# Altium PCB 2014.10.05_Remote_V14.3.PcbDoc (part 1 of 2)
Units mil, origin at the board's own origin, x right, y up, seen from the top; angles counter-clockwise.
Board outline 1909.45 x 4723.62 mil, 2 copper layers (Top Layer, Bottom Layer); 101 components, 83 nets, 315 pads, 421 vias.
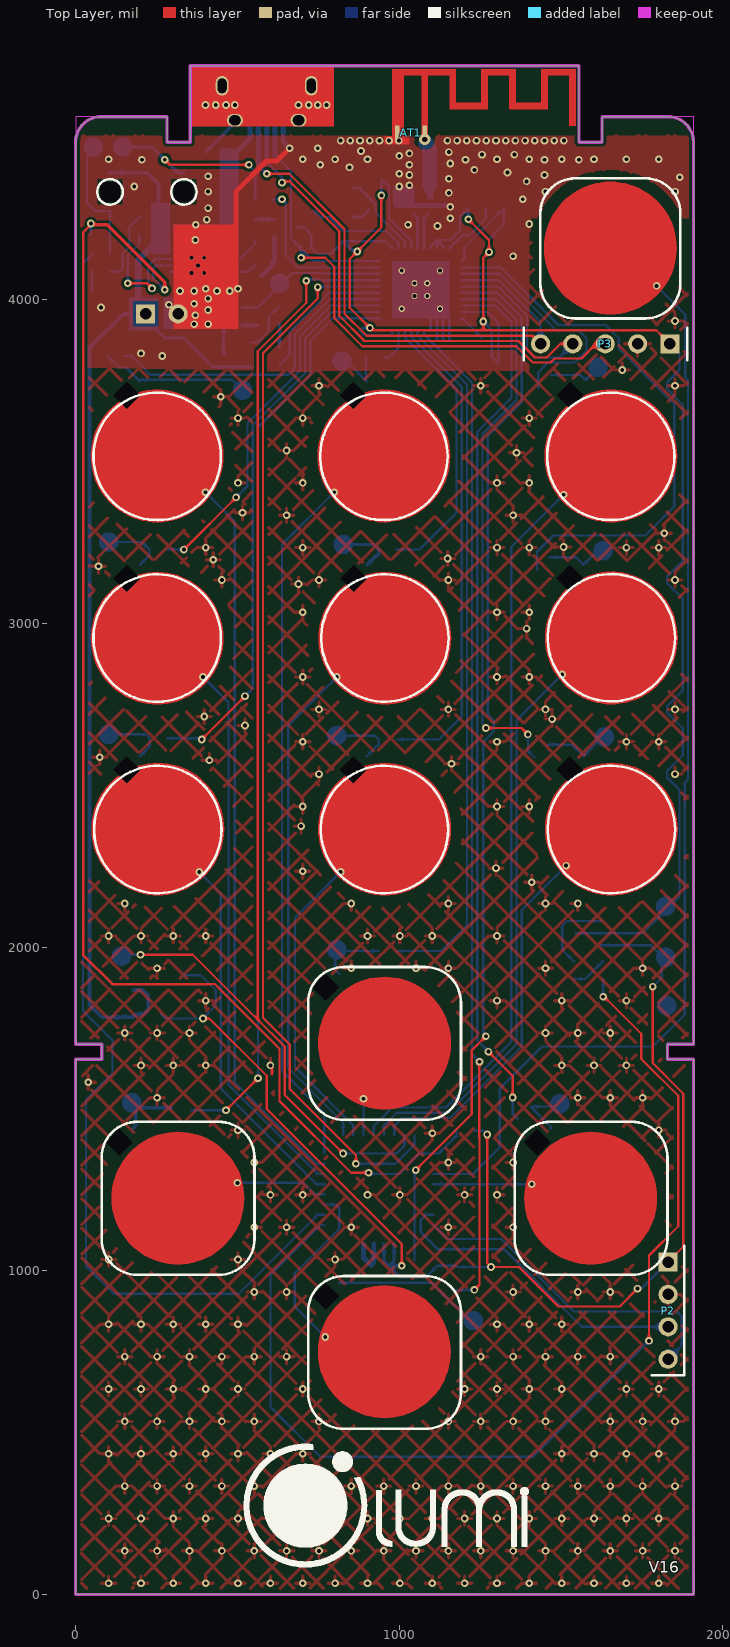
[diagram p0: Top Layer view]
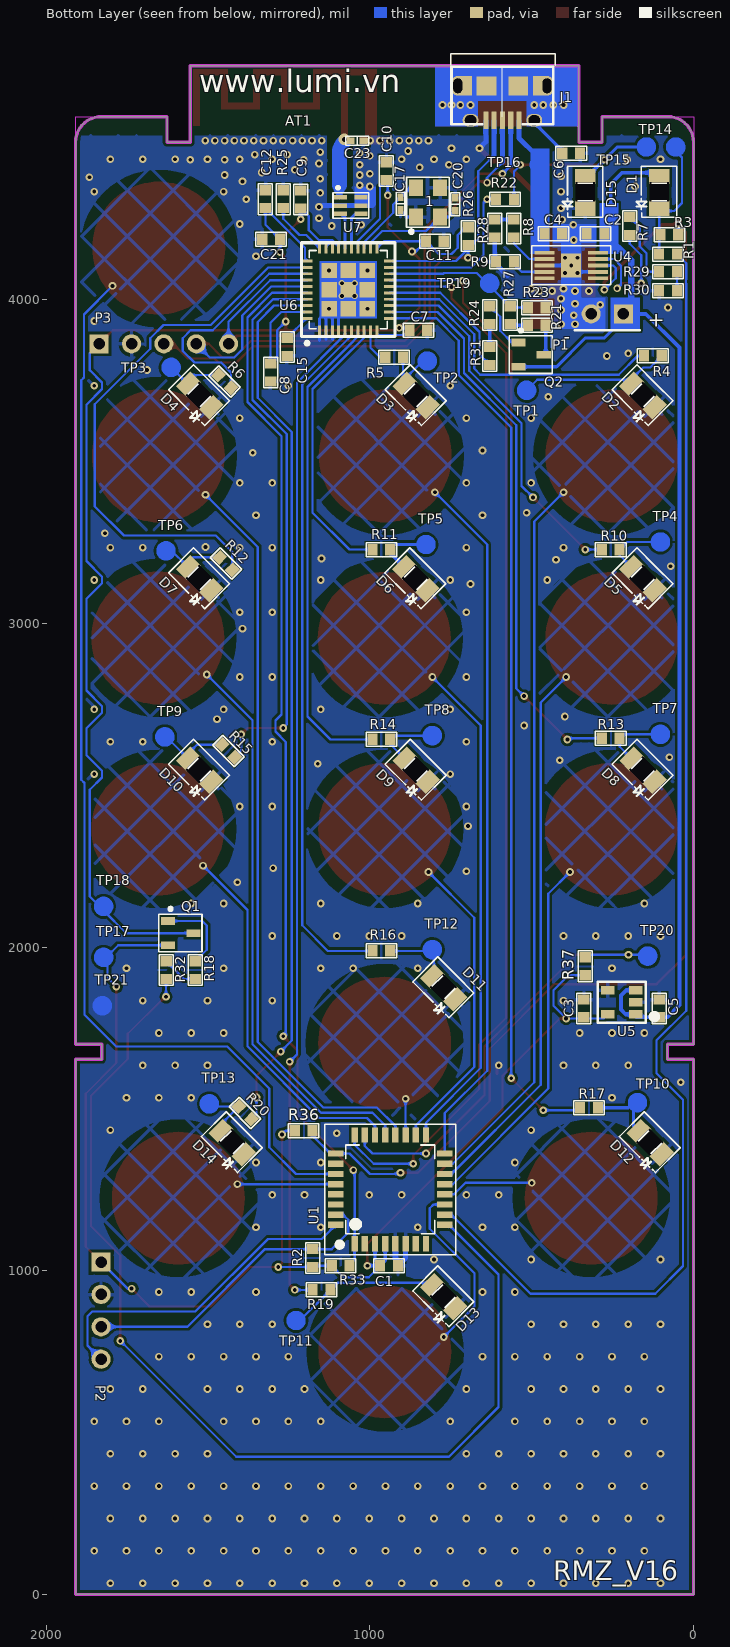
[diagram p1: Bottom Layer view, seen from below]
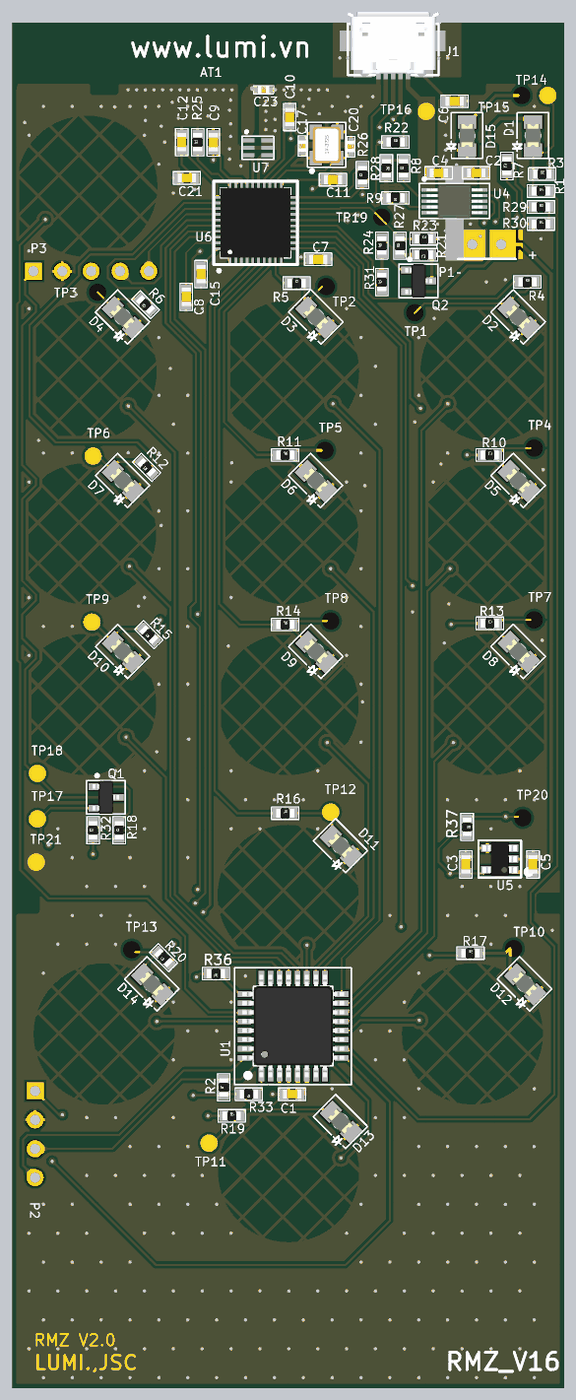
[diagram p3: 3D render of the assembled board from below, using the file's embedded part models]

## Layer stack, top to bottom
Top Solder: solder mask 0.4, Solder Resist, Dk 3.5
Top Layer: signal copper 1.4
Dielectric1: dielectric 12.6, FR-4, Dk 4.8
Bottom Layer: signal copper 1.4
Bottom Solder: solder mask 0.4, Solder Resist, Dk 3.5

## Board outline
0,0 0,1653.54 80.71,1653.54 80.71,1700 0,1700 0,4487.4 cw(c78.74,4487.4) 78.74,4566.14 282.48,4566.14 282.68,4565.95 282.68,4487.4 354.33,4487.4 354.33,4723.62 1555.12,4723.62 1555.12,4487.4 1626.77,4487.4 1626.77,4564.96 1627.95,4566.14 1830.71,4566.14 cw(c1830.71,4487.4) 1909.45,4487.4 1909.45,1700 1828.74,1700 1828.74,1653.54 1909.45,1653.54 1909.45,0
cut-out: 1844.49,4566.14 1846.46,4564.17 1851.38,4564.17 1853.35,4562.21 1857.28,4562.21 1859.25,4560.24 1862.21,4560.24 1864.17,4558.27 1867.13,4558.27 1867.13,4557.28 1869.1,4555.32 1872.05,4555.32 1872.05,4554.33 1874.02,4552.36 1876.97,4552.36 1880.91,4548.43 1881.89,4548.43 1885.83,4544.49 1885.83,4543.5 1889.76,4539.57 1889.76,4538.58 1890.75,4538.58 1893.7,4535.63 1893.7,4534.65 1896.65,4531.69 1896.65,4529.72 1899.61,4526.77 1899.61,4524.8 1902.56,4521.85 1902.56,4518.9 1904.53,4516.93 1904.53,4514.96 1905.51,4513.98 1905.51,4510.04 1906.5,4509.06 1906.5,4504.13 1908.47,4502.17 1908.47,4501.18 1909.45,4500.2 1909.45,4566.14
cut-out: 0,4501.18 1.97,4503.15 1.97,4508.07 3.94,4510.04 3.94,4513.98 5.91,4515.95 5.91,4518.9 7.87,4520.87 7.87,4523.82 8.86,4523.82 10.83,4525.79 10.83,4528.74 11.81,4528.74 13.78,4530.71 13.78,4533.66 17.72,4537.6 17.72,4538.58 21.65,4542.52 22.64,4542.52 26.58,4546.46 27.56,4546.46 27.56,4547.44 30.51,4550.39 31.5,4550.39 34.45,4553.35 36.42,4553.35 39.37,4556.3 41.34,4556.3 44.29,4559.25 47.24,4559.25 49.21,4561.22 51.18,4561.22 52.17,4562.21 56.1,4562.21 57.09,4563.19 62.01,4563.19 63.98,4565.16 64.96,4565.16 65.95,4566.14 0,4566.14

## Design rules (kind name [scope] priority, off if disabled: settings)
Clearance TO [InNet('TO0') AND InNet('TO1') AND InNet('TO2') AND InNet('TO3') AND InNet('TO4') AND InNet('TO5') AND InNet('TO6') AND InNet('TO7') AND InNet('TO8') AND InNet('TO9') AND InNet('TO10') AND InNet('TO11') AND InNet('TO12') AND InNet('TO13') AND InNet('TO14') AND InNet('TO15')] p1: gap=10
Clearance [All] p2: gap=9
PolygonConnect TOP_GND [InNet('GND') And OnLayer('Top Layer')] p1: connectstyle=Relief reliefconductorwidth=10 reliefentries=4 polygonreliefangle="90 Angle" airgapwidth=10
PolygonConnect GND_PAD [(InPadClass('All Pads') AND InNet('GND'))] p2: connectstyle=Relief reliefconductorwidth=10 reliefentries=4 polygonreliefangle="90 Angle" airgapwidth=10
PolygonConnect [All] p3: connectstyle=Direct reliefconductorwidth=10 reliefentries=4 polygonreliefangle="90 Angle" airgapwidth=10
RoutingVias [All] p1: holewidth=28 width=50 viastyle="Through Hole" minholewidth=28 minwidth=50 maxholewidth=28 maxwidth=50
SilkToSolderMaskClearance SilkscreenOverComponentPads [IsPad] p1: minsilkscreentomaskgap=10 clearancetoexposedcopper=TRUE
SolderMaskExpansion [All] p1: expansion=4
UnpouredPolygon [All] p1: allowunpoured=FALSE
Width [All] p1: maxlimit=50 minlimit=7 preferedwidth=10
28 further rules are at their usual default settings.

## Components (designator, comment, footprint, x,y, rotation, side; value= is the part's Value field where it differs from the comment)
1 "XTAL_32MHz_3225" CRYSTAL_SMD_3225 820.87,4301.38 r90 bottom
AT1 "ANTEN INV F V2" ANTEN_INVERTF_TI_2 1078.74,4515.75 r0 top
C1 "CAP_105_0603" CAP_0603_TOP 940.94,1015.75 r0 bottom
C2 "CAP_105_0603" CAP_0603_TOP 303.15,4204.72 r180 bottom
C3 "CAP_105_0603" CAP_0603_TOP 338.58,1811.02 r270 bottom
C4 "CAP_105_0603" CAP_0603_TOP 433.07,4204.72 r0 bottom
C5 "CAP_105_0603" CAP_0603_TOP 106.3,1811.02 r270 bottom
C6 "CAP_105_0603" CAP_0603_TOP 377.95,4452.76 r0 bottom
C7 "CAP_104_0603" CAP_0603_TOP 850.39,3905.51 r180 bottom
C8 "CAP_104_0603" CAP_0603_TOP 1307.09,3775.59 r270 bottom
C9 "CAP_104_0603" CAP_0603_TOP 1213.58,4310.24 r90 bottom
C10 "CAP_104_0603" CAP_0603_TOP 948.82,4397.64 r90 bottom
C11 "CAP_104_0603" CAP_0603_TOP 799.21,4181.1 r180 bottom
C12 "CAP_104_0603" CAP_0603_TOP 1322.83,4311.02 r90 bottom
C15 "CAP_105_0603" CAP_0603_TOP 1255.91,3854.33 r270 bottom
C17 "CAP_12p_0402" CAP_0402_TOP 905.51,4297.44 r270 bottom
C20 "CAP_12p_0402" CAP_0402_TOP 736.22,4295.47 r90 bottom
C21 "CAP_105_0603" CAP_0603_TOP 1305.12,4187.01 r0 bottom
C23 "CAP_0.5pF_0402" CAP_0402_TOP 1039.37,4492.13 r0 bottom
D1 "LED_BLUE_0805" LED_0805_REVERSE_2 106.3,4333.86 r90 bottom
D2 "LED_0805" LED_0805_REVERSE_2 157.56,3705.91 r45 bottom
D3 "LED_0805" LED_0805_REVERSE_2 858.25,3705.91 r45 bottom
D4 "LED_0805" LED_0805_REVERSE_2 1527.76,3705.91 r45 bottom
D5 "LED_0805" LED_0805_REVERSE_2 157.56,3139.89 r45 bottom
D6 "LED_0805" LED_0805_REVERSE_2 859.25,3139.88 r45 bottom
D7 "LED_0805" LED_0805_REVERSE_2 1527.56,3139.89 r45 bottom
D8 "LED_0805" LED_0805_REVERSE_2 157.48,2548.43 r45 bottom
D9 "LED_0805" LED_0805_REVERSE_2 858.25,2548.43 r45 bottom
D10 "LED_0805" LED_0805_REVERSE_2 1527.56,2548.43 r45 bottom
D11 "LED_0805" LED_0805_REVERSE_2 772.84,1875.98 r45 bottom
D12 "LED_0805" LED_0805_REVERSE_2 135.04,1397.64 r45 bottom
D13 "LED_0805" LED_0805_REVERSE_2 772.84,921.26 r45 bottom
D14 "LED_0805" LED_0805_REVERSE_2 1426.38,1397.64 r45 bottom
D15 "LED_RED_0805" LED_0805_REVERSE_2 334.65,4333.86 r90 bottom
J1 "Micro USB" CONNECTOR_MICROUSB2 590.55,4555.12 r180 bottom
P1 "BAT" HDR1X2 216.54,3956.69 r0 bottom
P2 "JACK NAP" HDR1X4 1830.71,1026.77 r270 top
P3 "Header 5" HDR1X5 1836.61,3864.17 r180 top
Q1 "TRAN_FET_PMV160" SOT_23_TO_236AB 1590.55,2043.31 r270 bottom
Q2 "TRAN_FET_PMV160" SOT_23_TO_236AB 507.87,3830.71 r270 bottom
R1 "RES_330R_0603" RES_0603_TOP 78.74,4141.73 r180 bottom
R2 "RES_4.7K_0603" RES_0603_TOP 1177.17,1039.37 r90 bottom
R3 "RES_2.2K_0603" Res_0603_TOP 74.8,4200.79 r180 bottom
R4 "RES_330R_0603" RES_0603_TOP 125.98,3826.77 r180 bottom
R5 "RES_330R_0603" RES_0603_TOP 925.2,3822.83 r180 bottom
R6 "RES_330R_0603" RES_0603_TOP 1448.82,3748.03 r45 bottom
R7 "RES_4.7K_0603" Res_0603_TOP 196.85,4228.35 r90 bottom
R8 "RES_2.2K_0603" RES_0603_TOP 555.12,4220.47 r90 bottom
R9 "RES_2.2K_0603" RES_0603_TOP 582.68,4118.11 r0 bottom
R10 "RES_330R_0603" RES_0603_TOP 255.91,3228.35 r180 bottom
R11 "RES_330R_0603" RES_0603_TOP 964.57,3228.35 r180 bottom
R12 "RES_330R_0603" RES_0603_TOP 1444.88,3185.04 r45 bottom
R13 "RES_330R_0603" RES_0603_TOP 255.91,2645.67 r180 bottom
R14 "RES_330R_0603" RES_0603_TOP 964.57,2641.73 r180 bottom
R15 "RES_330R_0603" RES_0603_TOP 1437.01,2606.3 r45 bottom
R16 "RES_330R_0603" RES_0603_TOP 964.57,1988.19 r180 bottom
R17 "RES_330R_0603" RES_0603_TOP 322.83,1503.94 r180 bottom
R18 "RES_56K_0805" RES_0603_TOP 1539.37,1929.13 r90 bottom
R19 "RES_330R_0603" RES_0603_TOP 1149.61,940.94 r180 bottom
R20 "RES_330R_0603" RES_0603_TOP 1385.83,1488.19 r45 bottom
R21 "RES_2.2K_0603" RES_0603_TOP 484.25,3921.26 r0 bottom
R22 "RES_330R_0603" RES_0603_TOP 582.68,4311.02 r180 bottom
R23 "RES_1.1K_0603" RES_0603_TOP 484.25,3976.38 r180 bottom
R24 "RES_56K_0603" RES_0603_TOP 629.92,3952.76 r90 bottom
R25 "RES_56K_0603" RES_0603_TOP 1267.72,4311.02 r90 bottom
R26 "RES_4.7K_0603" RES_0603_TOP 696.85,4196.85 r90 bottom
R27 "RES_1.1K_0603" Res_0603_TOP 566.93,3952.76 r90 bottom
R28 "RES_330R_0603" RES_0603_TOP 614.17,4220.47 r270 bottom
R29 "RES_4.7K_0603" Res_0603_TOP 78.74,4086.61 r180 bottom
R30 "RES_330R_0603" Res_0603_TOP 78.74,4027.56 r180 bottom
R31 "RES_56K_0603" Res_0603_TOP 629.92,3826.77 r90 bottom
R32 "RES_56K_0603" Res_0603_TOP 1629.92,1929.13 r90 bottom
R33 "RES_4.7K_0603" Res_0603_TOP 1090.55,1015.75 r0 bottom
R36 "RES_4.7K_0603" Res_0603_TOP 1204.72,1433.07 r0 bottom
R37 "RES_4.7K_0603" Res_0603_TOP 334.65,1940.94 r270 bottom
TP1 "TP" TEST_POINT_1#1 515.75,3720.47 r180 bottom
TP2 "TP" TEST_POINT_1#1 822.83,3811.02 r90 bottom
TP3 "TP" TEST_POINT_1#1 1614.17,3791.34 r90 bottom
TP4 "TP" TEST_POINT_1#1 102.36,3251.97 r90 bottom
TP5 "TP" TEST_POINT_1#1 826.77,3244.09 r90 bottom
TP6 "TP" TEST_POINT_1#2 1629.92,3224.41 r90 bottom
TP7 "TP" TEST_POINT_1#1 102.36,2657.48 r90 bottom
TP8 "TP" TEST_POINT_1#1 807.09,2653.54 r90 bottom
TP9 "TP" TEST_POINT_1#2 1633.86,2649.61 r90 bottom
TP10 "TP" TEST_POINT_1#1 173.23,1519.68 r90 bottom
TP11 "TP" TEST_POINT_1#2 1228.35,846.46 r90 bottom
TP12 "TP" TEST_POINT_1#3 807.09,1992.13 r90 bottom
TP13 "TP" TEST_POINT_1#1 1496.06,1515.75 r90 bottom
TP14 "TP" TEST_POINT_1#1 145.67,4472.44 r90 bottom
TP15 "TP" TEST_POINT_1#2 55.12,4472.44 r90 bottom
TP16 "TP" TEST_POINT_1#1 476.38,4417.32 r90 bottom
TP17 "TP" TEST_POINT_1#3 1822.83,1968.5 r90 bottom
TP18 "TP" TEST_POINT_1#2 1822.83,2125.98 r90 bottom
TP19 "TP" TEST_POINT_1#1 629.92,4051.18 r90 bottom
TP20 "TP" TEST_POINT_1#1 141.73,1972.44 r90 bottom
TP21 "TP" TEST_POINT_1#1 1826.77,1818.9 r90 bottom
U1 "MC9S08PT8/16" LQFP32 937.01,1251.97 r90 bottom (schematic designator U?)
U4 "BQ24090" MSOP_POWERPAD_DGQ 377.95,4106.3 r180 bottom
U5 "LDO_TLV70233" SOT_235 215.75,1831.69 r0 bottom
U6 "CC2530" VQFN_RHA_40PINS 1066.93,4031.5 r180 bottom
U7 "2450BM15A0002" BALUN_2450BM15A0002 1059.06,4291.34 r90 bottom

## Footprints (in the part's own frame and the unit in brackets; to place one, negate y for a bottom-side part, rotate by r counter-clockwise, add the part's x,y. Pads: shape width x height; smd on the part's side, far side on the other; paste and mask are expansions set on the pad)
ANTEN_INVERTF_TI_2 [mil]
  rect 15x45 smd paste+0 mask+4: 1(0,0) 2(-85,0)
  Top Layer region: 466.65,22.64 466.65,197.44 446.97,197.44 446.97,22.64
  Top Layer region: 380.04,197.44 380.04,73.82 360.35,73.82 360.35,197.44
  Top Layer region: 281.61,73.82 281.61,197.44 261.93,197.44 261.93,73.82
  Top Layer region: 195,197.44 195,73.82 175.32,73.82 175.32,197.44
  Top Layer region: 360.35,177.76 360.35,197.44 466.65,197.44 466.65,177.76
  Top Layer region: 175.32,177.76 175.32,197.44 281.61,197.44 281.61,177.76
  Top Layer region: 76.89,73.82 76.89,93.5 195,93.5 195,73.82
  Top Layer region: 76.89,197.44 76.89,73.82 96.57,73.82 96.57,197.44
  Top Layer region: -100.28,-14.76 -100.28,197.44 -64.84,197.44 -64.84,-14.76
  Top Layer region: -100.28,177.76 -100.28,197.44 96.57,197.44 96.57,177.76
  Top Layer region: 261.93,73.82 261.93,93.5 380.04,93.5 380.04,73.82
  Top Layer region: -9.72,-14.76 -9.72,197.44 9.96,197.44 9.96,-14.76
BALUN_2450BM15A0002 [mm]
  rect 0.35x1 smd mask+0: 1(0.65,0.8) 3(-0.65,0.8) 4(-0.65,-0.8) 5(0,-0.8) 6(0.65,-0.8)
  rect 0.35x1 smd paste+0 mask+0: 2(0,0.8)
  silkscreen extent -1,-1.4 1.5,1.4, body extent -1,-0.6 1,0.6, height 0.7
CAP_0402_TOP [mm]
  rect 0.6x0.5 smd: 1(-0.5,0) 2(0.5,0)
  silkscreen extent -0.9,-0.35 0.9,0.35, body extent -0.5,-0.3 0.5,0.3, height 0.2
CAP_0603_TOP [mm]
  rect 0.8x0.9 smd: 1(-0.7,0) 2(0.7,0)
  silkscreen extent -1.2,-0.55 1.2,0.55, body extent -0.8,-0.4 0.8,0.4, height 0.7
CONNECTOR_MICROUSB2 [mm]
  rect 0.4x1.35 smd mask+0: 1(1.3,0) 2(0.65,0) 3(0,0) 4(-0.65,0) 5(-1.3,0)
  oval 1.25x1 hole 0.8 slot 0.9 at 0 deg mask+0: 6(-2.5,0) 9(2.5,0)
  oval 1x1.55 hole 0.7 slot 1.15 at 90 deg mask+0: 7(-3.5,2.7) 8(3.5,2.7)
  rect 1.2x1.55 smd: 7(-3,2.7) 8(3,2.7)
  rect 1.55x1.5 smd: 7(-1.25,2.7) 8(1.25,2.7)
  silkscreen extent -4,-0.3 4,4.2, body extent -4.1,-0.17 4.1,5.26, height 2.68
CRYSTAL_SMD_3225 [mm]
  rect 1.3x1.1 smd: 1(-1.15,-0.95) 2(1.15,-0.95) 3(1.15,0.95) 4(-1.15,0.95)
  silkscreen extent -2.44,-1.68 1.97,1.68, body extent -1.6,-1.25 1.6,1.25, height 0.81
HDR1X2 [mm] "Connector; Header; 2 Position"
  rect 1.5x1.5 hole 0.9: 1(0,0)
  round 1.5 hole 0.9: 2(2.54,0)
  silkscreen extent -1.27,1.27 3.81,1.27
HDR1X4 [mm] "Connector; Header; 4 Position"
  rect 1.5x1.5 hole 0.9: 1(0,0)
  round 1.5 hole 0.9: 2(2.54,0) 3(5.08,0) 4(7.62,0)
  silkscreen extent -1.27,-1.27 8.89,1.27
HDR1X5 [mm] "Connector; Header; 5 Position"
  rect 1.5x1.5 hole 0.9: 1(0,0)
  round 1.5 hole 0.9: 2(2.54,0) 3(5.08,0) 4(7.62,0) 5(10.16,0)
  silkscreen extent -1.35,-1.27 11.48,1.27
LED_0805_REVERSE_2 [mm]
  rect 0x0 hole 1.5 square unplated paste+0 mask+0: 0(0,0)
  rect 1.2x1.6 smd: 1(1.2,0) 2(-1.3,0)
  silkscreen extent -2,-1.38 2,1.78, body extent -1.6,-0.8 1.6,0.8, height 0.45
LQFP32 [mm]
  rect 1.2x0.5 smd: 1(-4.275,2.8) 2(-4.275,2) 3(-4.275,1.2) 4(-4.275,0.4) 5(-4.275,-0.4) 6(-4.275,-1.2) 7(-4.275,-2) 8(-4.275,-2.8) 17(4.25,-2.8) 18(4.25,-2) 19(4.25,-1.2) 20(4.25,-0.4) 21(4.25,0.4) 22(4.25,1.2) 23(4.25,2) 24(4.25,2.8)
  rect 0.5x1.2 smd: 9(-2.8,-4.275) 10(-2,-4.275) 11(-1.2,-4.275) 12(-0.4,-4.275) 13(0.4,-4.275) 14(1.2,-4.275) 15(2,-4.275) 16(2.8,-4.275) 25(2.8,4.275) 26(2,4.275) 27(1.2,4.275) 28(0.4,4.275) 29(-0.4,4.275) 30(-1.2,4.275) 31(-2,4.275) 32(-2.8,4.275)
  silkscreen extent -5.15,-5.13 5.1,5.15, body extent -4.5,-4.5 4.5,4.5, height 1.5
MSOP_POWERPAD_DGQ [mm]
  rect 1.6x0.3 smd mask+0: 1(-2.1,1) 2(-2.1,0.5) 3(-2.1,0) 4(-2.1,-0.5) 5(-2.1,-1) 6(2.1,-1) 7(2.1,-0.5) 8(2.1,0) 9(2.1,0.5) 10(2.1,1)
  round 0.3 hole 0.3: 11(-0.5,-0.6) 11(-0.5,0.6) 11(0,0) 11(0.5,-0.6) 11(0.5,0.6)
  rect 1.57x1.88 smd mask+0.05: 11(0,0)
  round 0.5 on Bottom Overlay: ""(-2.65,1.95)
  silkscreen extent -3.1,-1.5 3.1,1.55, body extent -2.45,-1.5 2.45,1.5, height 0.94
RES_0603_TOP [mm]
  rect 0.8x0.9 smd: 1(-0.7,0) 2(0.7,0)
  silkscreen extent -1.2,-0.55 1.2,0.55, body extent -0.8,-0.4 0.8,0.4, height 0.3
Res_0603_TOP [mm]
  rect 0.8x0.9 smd: 1(-0.7,0) 2(0.7,0)
  silkscreen extent -1.2,-0.55 1.2,0.55, body extent -0.8,-0.4 0.8,0.4, height 0.3
SOT_23_TO_236AB [mm] "SOT23 OR TO-236AB"
  rect 0.6x1.1 smd: 1(-0.95,-0.85) 2(0.95,-0.85) 3(0,1.143)
  silkscreen extent -2.02,-1.58 1.48,1.83, body extent -1.46,-1.03 1.46,1.31, height 1
SOT_235 [mm]
  rect 1.06x0.65 smd: 1(-0.95,1) 2(-0.95,0.05) 3(-0.95,-0.9) 4(1.25,-0.9) 5(1.25,1)
  silkscreen extent -2.59,-1.58 2.02,1.68, body extent -1.35,-1.45 1.65,1.55, height 1.3
TEST_POINT_1#1 [mm]
  round 0.5 on Bottom Solder mask+0: 1(0,0)
  Top Layer circle w0.889: c0,0 r0.316
TEST_POINT_1#2 [mm]
  round 0.5 on Bottom Solder mask+0: 1(0,0)
  Top Layer lines w0.889: 0,-0.316 ccw(c0,0) 0,0.316 ccw(c0,0) 0,-0.316
TEST_POINT_1#3 [mm]
  round 0.5 on Bottom Solder mask+0: 1(0,0)
  Top Layer lines w0.889: -0.316,0 ccw(c0,0) 0,0.316 ccw(c0,0) -0.1,0.3 ccw(c0,0) -0.316,0
VQFN_RHA_40PINS [mm]
  rect 0.23x0.8 smd paste+0 mask+0.07: 1(-2.25,-3.195) 2(-1.75,-3.195) 3(-1.25,-3.195) 4(-0.75,-3.195) 5(-0.25,-3.195) 6(0.25,-3.195) 7(0.75,-3.195) 8(1.25,-3.195) 9(1.75,-3.195) 10(2.25,-3.195) 21(2.25,3.236) 22(1.75,3.236) 23(1.25,3.236) 24(0.75,3.236) 25(0.25,3.236) 26(-0.25,3.236) 27(-0.75,3.236) 28(-1.25,3.236) 29(-1.75,3.236) 30(-2.25,3.236)
  rect 0.8x0.23 smd paste+0 mask+0.07: 11(3.21,-2.25) 12(3.21,-1.75) 13(3.21,-1.25) 14(3.21,-0.75) 15(3.21,-0.25) 16(3.21,0.25) 17(3.21,0.75) 18(3.21,1.25) 19(3.21,1.75) 20(3.21,2.25) 31(-3.21,2.25) 32(-3.21,1.75) 33(-3.21,1.25) 34(-3.21,0.75) 35(-3.21,0.25) 36(-3.21,-0.25) 37(-3.21,-0.75) 38(-3.21,-1.25) 39(-3.21,-1.75) 40(-3.21,-2.25)
  rect 1.2x1.2 smd mask+0.102: 41(-1.5,-1.5) 41(-1.5,0) 41(-1.5,1.5) 41(0,-1.5) 41(0,0) 41(0,1.5) 41(1.5,-1.5) 41(1.5,0) 41(1.5,1.5)
  Top Layer region: -2.25,2.25 2.25,2.25 2.25,-2.25 -2.25,-2.25
  silkscreen extent -3.67,-4.45 3.67,3.67, body extent -3.08,-3.08 3.07,3.07, height 1.03

## Part data
1: library part "CRYSTAL 5032", "Crystal Oscillator"
C1 C2 C3 C4 C5 C6 C7 C8 C9 C10 C11 C12 C15 C17 C20 C21 C23: library part "Cap 1206 BUT", "Capacitor"
D1 D2 D3 D4 D5 D6 D7 D8 D9 D10 D11 D12 D13 D14 D15: library part "LED 0805 TOP", "Typical INFRARED GaAs LED"
P1: library part "Header 2", "Header, 2-Pin"
P2: library part "Header 4", "Header, 4-Pin"
P3: "Header, 5-Pin"
Q1 Q2: library part PMV160
R1 R2 R3 R4 R5 R6 R7 R8 R9 R10 R11 R12 R13 R14 R15 R16 R17 R18 R19 R20 R21 R22 R23 R24 R25 R26 R27 R28 R29 R30 R31 R32 R33 R36 R37: library part "RES 0805 BUT", "Resistor"
TP1 TP2 TP3 TP4 TP5 TP6 TP7 TP8 TP9 TP10 TP11 TP12 TP13 TP14 TP15 TP16 TP17 TP18 TP19 TP20 TP21: library part TestPoint
U1: library part MC9S08PT8
U4: library part BQ2040
U5: library part TPS782xx
U6: "2.4 GHz IEEE 802.15.4 RF Transceiver"
U7: library part Balun_0433BM15A0001

## Via types
v1: diameter 23.62, hole 11.81, Top Layer to Bottom Layer, tented both sides, 412 vias
v2: diameter 19.68, hole 11.81, Top Layer to Bottom Layer, 8 vias
v3: diameter 35.43, hole 15.75, Top Layer to Bottom Layer, tented both sides, 1 vias

## Nets (pads, with @x,y where several pads share a name; then routed paths per layer and width w, separated by ;. In a path a pad name is that pad's centre, name@x,y a point inside that pad or via, vN(x,y) a via of type N, cw(c..) or ccw(c..) an arc to the next point about the centre after c; other vN are vias at no path point)
3.3V: C1.2 C3.2 P2.1 Q1.2 R2.1 R33.2 R36.2 R37.2 U1.3 U1.4 U5.5 | length 4243.3
  Top Layer w7: v1(393.7,1779.53) 413.39,1779.53 590.55,1602.36 590.55,1500 1007.87,1082.68 v1(1007.87,1015.75) ; v1(1271.65,1421.26) 1271.65,1023.62 v1(1283.46,1011.81) 1370.08,1011.81 1492.13,889.76 1681.1,889.76 v1(1736.22,944.88) ; v1(1783.46,1877.95) 1783.46,1641.73 1877.95,1547.24 1877.95,1074.02 P2.1@1830.71,1026.77
  Bottom Layer w7: U5.5@264.96,1792.32 277.76,1779.53 v1(393.7,1779.53) 432.82,1818.65 432.82,1867.13 386.56,1913.38 R37.2@334.65,1913.38 ; C1.2@968.5,1015.75 1003.94,980.31 1082.68,980.31 R33.2@1118.12,1015.75 1173.24,1015.75 R2.1@1177.17,1011.82 v1(1283.46,1011.81) ; R36.2@1232.29,1433.07 1259.84,1433.07 v1@1267.72,1425.2 ; Q1.2@1624.02,2005.91 1777.56,2005.91 1811.02,1972.44 1811.02,1964.57 1811.02,1905.51 v1(1783.46,1877.95) ; v1(1736.22,944.88) 1748.82,944.88 P2.1@1830.71,1026.77
  Bottom Layer w10: U1.4@952.76,1083.66 952.76,1031.5 C1.2@968.5,1015.75 ; U1.3@984.25,1083.66 984.25,1031.5 C1.2@968.5,1015.75 ; v1(1007.87,1015.75) C1.2@968.5,1015.75
3.3V_CC: C7.1 C8.1 C9.1 C10.1 C11.1 C12.1 C21.1 P3.1 Q1.3 R26.2 U6.10 U6.21 U6.24 U6.27 U6.28 U6.29 U6.31 U6.39 | length 5985.5
  Top Layer w7: v1(944.88,4322.83) 944.88,4224.41 v1(870.08,4149.61) 846.96,4126.49 846.96,3975.87 v1(909.45,3913.39) 916.57,3906.27 1436.25,3906.27 ; v1(1213.58,4249.02) 1277.56,4185.04 v1(1277.56,4147.64) 1259.84,4129.92 v1(1259.84,3933.07) 1259.84,3906.27 ; 1436.32,3906.2 1794.59,3906.2 P3.1@1836.61,3864.17
  Bottom Layer w7: R26.2@685.04,4224.42 704.72,4224.42 728.35,4200.79 728.35,4161.42 748.03,4141.73 787.4,4141.73 C11.1@826.77,4181.1 ; v1(870.08,4149.61) 858.27,4149.61 C11.1@826.77,4181.1 ; v1(909.45,3913.39) 885.83,3913.39 C7.1@877.95,3905.51 892.17,3891.3 972.44,3891.3 978.35,3897.2 U6.10@978.35,3905.71 ; v1(944.88,4322.83) 944.88,4366.14 C10.1@948.82,4370.08 968.5,4350.39 968.5,4251.04 1037.4,4182.14 U6.24@1037.4,4158.91 ; U6.21@978.35,4158.91 978.35,4159.45 956.69,4181.1 C11.1@826.77,4181.1 ; U6.27@1096.46,4158.91 1096.46,4165.16 1116.14,4184.84 ; U6.28@1116.14,4158.91 1116.14,4184.84 ; U6.29@1135.83,4158.91 1135.83,4165.16 1116.14,4184.84 ; U6.39@1193.31,3962.6 1273.62,3962.6 1307.09,3929.13 C8.1@1307.09,3803.15 1286.12,3824.11 1286.12,3906.79 v1(1259.84,3933.07) ; U6.31@1193.31,4120.08 1200.79,4127.56 1200.79,4161.42 C12.1@1322.83,4283.46 1322.83,4232.28 C21.1@1277.56,4187.01 v1(1277.56,4147.64) ; v1(1213.58,4249.02) C9.1@1213.58,4282.68 1188.98,4258.07 1188.98,4215.54 1158.28,4184.84 1116.14,4184.84 ; Q1.3@1545.55,2043.31 1752.61,2043.31 1822.83,2113.53 1835.28,2125.98 1865.89,2156.59 1865.89,2486.34 1827.66,2524.58 1827.66,2544.72 1875.95,2593.01 1875.95,2676.28 1827.66,2724.58 1827.66,2744.72 1875.95,2793.01 1875.95,3076.28 1827.66,3124.58 1827.66,3144.72 1875.95,3193.01 1875.95,3676.28 1827.66,3724.58 1827.66,3744.72 1865.89,3782.95 1865.89,3834.9 P3.1@1836.61,3864.17
ADC_EN: R31.1 U6.15 | length 443.7
  Bottom Layer w7: R31.1@629.92,3799.22 661.42,3830.71 661.42,3900.58 782.49,4021.65 U6.15@940.55,4021.65
BAT_IN: R23.1 R27.2 U6.18 | length 474.2
  Bottom Layer w7: R23.1@511.8,3976.38 562.99,3976.38 R27.2@566.93,3980.32 669.97,4083.37 770.96,4083.37 773.62,4080.71 U6.18@940.55,4080.71
C\H\G\: R3.2 R36.1 U1.25 U4.8 | length 4361.3
  Top Layer w7: 417.32,1885.83 430.13,1885.83 629.92,1686.03 629.92,1524.67 851.45,1303.15 v1(905.51,1303.15)
  Top Layer w8: v1@47.24,4232.28 23.62,4208.66 23.62,1976.38 114.17,1885.83 417.32,1885.83
  Top Layer w10: v1@47.24,4232.28 98.43,4232.28 275.59,4055.12 v1(275.59,4031.5)
  Bottom Layer w7: R3.2@47.24,4200.79 v1(47.24,4236.22) ; v1(275.59,4031.5) 240.16,4066.93 240.16,4098.43 248.03,4106.3 U4.8@295.28,4106.3 ; v1@905.51,1307.09 913.39,1299.21 1000,1299.21 1062.99,1362.2 U1.25@1105.32,1362.2 1122.05,1362.2 1177.17,1417.33 R36.1@1177.17,1433.07
DC: J1.2 P3.5 U6.34 | length 1772.3
  Top Layer w7: v1(590.55,4389.76) 660.42,4389.76 830.96,4219.23 830.96,3957.49 899.38,3889.07 1411.71,3889.07 P3.5@1436.61,3864.17
  Bottom Layer w7: 564.96,4415.35 v1(590.55,4389.76) ; U6.34@1193.31,4061.02 1308.06,4061.02 1436.61,3932.47 P3.5@1436.61,3864.17 P3.5@1422.23,3864.17
  Bottom Layer w15: 564.96,4415.35 J1.2@564.96,4555.12
DD: J1.3 P3.4 U6.35 | length 2024.4
  Top Layer w7: v1(637.8,4362.2) 637.8,4366.14 661.42,4366.14 814.96,4212.6 814.96,3950.87 892.75,3873.07 1368.28,3873.07 1419.21,3822.15 1454.02,3822.15 1454.71,3822.83 1456.69,3822.83 1498.03,3864.17 P3.4@1536.61,3864.17
  Bottom Layer w7: 590.55,4425.2 637.8,4377.95 v1(637.8,4362.2) ; U6.35@1193.31,4041.34 1305.12,4041.34 1394.59,3951.87 1394.59,3846.77 1419.21,3822.15 1494.59,3822.15 P3.4@1536.61,3864.17
  Bottom Layer w15: 590.55,4425.2 J1.3@590.55,4555.12
GND: 1.2 1.4 AT1.2 C1.1 C2.1 C3.1 C4.1 C5.1 C6.1 C7.2 C8.2 C9.2 C10.2 C11.2 C12.2 C15.2 C17.2 C20.2 C21.2 C23.1 D2.2 D3.2 D4.2 D5.2 D6.2 D7.2 D8.2 D9.2 D10.2 D11.2 D12.2 D13.2 D14.2 D15.2 J1.5 P1.2 P2.2 P3.2 R9.2 R23.2 R25.2 R28.2 R30.1 U1.5 U1.6 U4.3 U4.7 U4.11@358.27,4082.68 U4.11@358.27,4129.92 U4.11@377.95,4106.3 U4.11@397.64,4082.68 U4.11@397.64,4129.92 U5.2 U5.4 U6.1 U6.2 U6.3 U6.4 U6.41 U7.2 U7.5 U7.6 | length 1472.3
  Top Layer w10: 607.01,1608.31 v1@607.01,1629.61
  Top Layer w15: 472.44,4173.23 496.06,4196.85 496.06,4335.31 589.88,4429.13 622.05,4429.13 v1(661.42,4468.5)
  Bottom Layer w9: U6.4@1096.46,3905.71 1096.46,3962.6 ; 1116.14,3877.95 U6.41@1116.14,3962.6 ; v2(1125.98,3972.44) U6.41@1135.83,3962.6 ; 1135.83,3877.95 U6.41@1135.83,3962.6 ; 1155.51,3874.02 1155.51,3942.91 U6.41@1135.83,3962.6
  Bottom Layer w10: U4.7@295.28,4086.61 U4.11@358.27,4086.61 ; U4.11@377.95,4106.3 U4.3@460.63,4106.3 ; 1.4@858.27,4256.1 883.86,4256.1 C17.2@905.51,4277.75
  Bottom Layer w15: 574.8,4074.8 610.24,4110.24 R9.2@610.24,4118.11 ccw(c600.75,4127.6) 614.17,4127.6 R28.2@614.17,4192.91 ; J1.5@641.73,4555.12 641.73,4488.19 v1(661.42,4468.5) ; U1.6@889.76,1083.66 889.76,1039.37 C1.1@913.39,1015.75 ; C1.1@921.26,1023.62 U1.5@921.26,1083.66 ; 992.13,4291.34 1145.67,4291.34
  other v1: 101.97,34.65 201.97,34.65 301.97,34.65 401.97,34.65 501.97,34.65 601.97,34.65 701.97,34.65 801.97,34.65 901.97,34.65 1001.97,34.65 1101.97,34.65 1201.97,34.65 1301.97,34.65 1401.97,34.65 1501.97,34.65 1601.97,34.65 1701.97,34.65 1801.97,34.65 151.97,134.65 251.97,134.65 351.97,134.65 451.97,134.65 551.97,134.65 651.97,134.65 751.97,134.65 851.97,134.65 951.97,134.65 1051.97,134.65 1151.97,134.65 1251.97,134.65 1351.97,134.65 1451.97,134.65 1551.97,134.65 1651.97,134.65 1751.97,134.65 1851.97,134.65 101.97,234.65 201.97,234.65 301.97,234.65 401.97,234.65 501.97,234.65 601.97,234.65 701.97,234.65 801.97,234.65 901.97,234.65 1001.97,234.65 1101.97,234.65 1201.97,234.65 1301.97,234.65 1401.97,234.65 1501.97,234.65 1601.97,234.65 1701.97,234.65 1801.97,234.65 151.97,334.65 251.97,334.65 351.97,334.65 451.97,334.65 551.97,334.65 651.97,334.65 751.97,334.65 851.97,334.65 951.97,334.65 1051.97,334.65 1151.97,334.65 1251.97,334.65 1351.97,334.65 1451.97,334.65 1551.97,334.65 1651.97,334.65 1751.97,334.65 1851.97,334.65 101.97,434.65 201.97,434.65 301.97,434.65 401.97,434.65 501.97,434.65 601.97,434.65 701.97,434.65 1501.97,434.65 1601.97,434.65 1701.97,434.65 1801.97,434.65 151.97,534.65 251.97,534.65 351.97,534.65 451.97,534.65 551.97,534.65 751.97,534.65 1151.97,534.65 1251.97,534.65 1351.97,534.65 1451.97,534.65 1651.97,534.65 1751.97,534.65 1851.97,534.65 101.97,634.65 201.97,634.65 301.97,634.65 401.97,634.65 501.97,634.65 701.97,634.65 1201.97,634.65 1301.97,634.65 1401.97,634.65 1501.97,634.65 1701.97,634.65 1801.97,634.65 151.97,734.65 251.97,734.65 351.97,734.65 451.97,734.65 551.97,734.65 651.97,734.65 1251.97,734.65 1351.97,734.65 1451.97,734.65 1551.97,734.65 1651.97,734.65 101.97,834.65 201.97,834.65 301.97,834.65 401.97,834.65 501.97,834.65 1301.97,834.65 1401.97,834.65 1501.97,834.65 551.97,934.65 651.97,934.65 1351.97,934.65 1551.97,934.65 1651.97,934.65 101.97,1034.65 501.97,1034.65 801.97,1034.65 551.97,1134.65 651.97,1134.65 851.97,1134.65 1151.97,1134.65 1351.97,1134.65 601.97,1234.65 701.97,1234.65 901.97,1234.65 1001.97,1234.65 1201.97,1234.65 1301.97,1234.65 551.97,1334.65 1151.97,1334.65 1351.97,1334.65 1102.36,1425.2 501.97,1434.65 1801.97,1434.65 251.97,1534.65 1551.97,1534.65 1651.97,1534.65 1751.97,1534.65 39.37,1582.68 201.97,1634.65 301.97,1634.65 401.97,1634.65 601.97,1634.65 1501.97,1634.65 1601.97,1634.65 1701.97,1634.65 151.97,1734.65 251.97,1734.65 351.97,1734.65 1451.97,1734.65 1551.97,1734.65 1651.97,1734.65 401.97,1834.65 1301.97,1834.65 1501.97,1834.65 1701.97,1834.65 251.97,1934.65 851.97,1934.65 1051.97,1934.65 1151.97,1934.65 1451.97,1934.65 1751.97,1934.65 101.97,2034.65 201.97,2034.65 301.97,2034.65 401.97,2034.65 901.97,2034.65 1001.97,2034.65 1101.97,2034.65 1301.97,2034.65 151.97,2134.65 851.97,2134.65 1151.97,2134.65 1451.97,2134.65 1551.97,2134.65 1409.45,2200.79 701.97,2234.65 1299.21,2244.09 696.85,2374.02 701.97,2434.65 1301.97,2434.65 1401.97,2434.65 751.97,2534.65 1851.97,2534.65 1161.42,2566.93 413.39,2577.43 74.8,2586.61 701.97,2634.65 1301.97,2634.65 1701.97,2634.65 1801.97,2634.65 523.62,2685.04 1472.44,2704.72 397.64,2712.6 751.97,2734.65 1151.97,2734.65 1451.97,2734.65 1851.97,2734.65 701.97,2834.65 1301.97,2834.65 1401.97,2834.65 1393.7,2984.25 701.97,3034.65 1301.97,3034.65 1401.97,3034.65 688.98,3122.05 451.97,3134.65 751.97,3134.65 1151.97,3134.65 1851.97,3134.65 70.87,3177.17 425.2,3196.85 1149.61,3200.79 401.97,3234.65 701.97,3234.65 1301.97,3234.65 1401.97,3234.65 1701.97,3234.65 1801.97,3234.65 1507.87,3236.22 1818.9,3278.74 651.97,3334.65 1351.97,3334.65 515.75,3342.52 501.97,3434.65 701.97,3434.65 1301.97,3434.65 1401.97,3434.65 1362.2,3527.56 651.97,3534.65 501.97,3634.65 701.97,3634.65 1401.97,3634.65 448.82,3700.79 751.97,3734.65 1251.97,3734.65 1851.97,3734.65 1688.98,3783.46 267.72,3826.77 201.97,3834.65 366.14,3925.2 409.45,3925.2 1851.97,3934.65 370.08,3952.76 409.45,3968.5 78.74,3976.38 288.34,3984.88 366.14,3988.19 409.45,4003.94 322.83,4027.56 366.14,4027.56 437.01,4027.56 476.38,4027.56 401.97,4034.65 501.97,4034.65 1351.97,4134.65 370.08,4185.04 1118.11,4228.35 371.18,4232.28 1027.56,4232.28 1401.97,4234.65 405.51,4248.03 1157.48,4251.97 409.45,4283.46 1157.48,4287.4 1381.89,4311.02 1153.54,4330.71 409.45,4334.65 1451.97,4334.65 1851.97,4334.65 181.1,4350.39 1000,4350.39 1031.5,4354.33 1393.7,4366.14 1153.54,4374.02 1866.93,4378.74 409.45,4381.89 1031.5,4385.83 1448.82,4385.83 1000,4389.76 1334.65,4393.7 1232.28,4401.57 846.46,4409.45 755.91,4417.32 1031.5,4417.32 1157.48,4421.26 204.72,4433.07 1204.72,4433.07 1448.82,4433.07 1555.12,4433.07 101.97,4434.65 701.97,4434.65 801.97,4434.65 901.97,4434.65 1301.97,4434.65 1401.97,4434.65 1501.97,4434.65 1601.97,4434.65 1701.97,4434.65 1801.97,4434.65 1000,4444.88 1255.91,4448.82 1355.92,4448.82 1031.5,4452.76 1153.54,4456.69 881.89,4460.15 748.03,4468.5 818.9,4492.13 848.9,4492.13 878.9,4492.13 908.9,4492.13 938.9,4492.13 968.9,4492.13 998.9,4492.13 1148.9,4492.13 1178.9,4492.13 1208.9,4492.13 1238.9,4492.13 1268.9,4492.13 1298.9,4492.13 1328.9,4492.13 1358.9,4492.13 1388.9,4492.13 1418.9,4492.13 1448.9,4492.13 1478.9,4492.13 1508.9,4492.13
  other v2: 1007.87,3972.44 1047.24,4011.81 1086.61,4011.81 1047.24,4051.18 1086.61,4051.18 1007.87,4090.55 1125.98,4090.55
HOLD: R33.1 U1.1 U6.36 | length 3284.5
  Top Layer w7: v1(1051.18,1311.02) 1223.72,1483.56 1223.72,1680.41 v1(1267.72,1724.41)
  Bottom Layer w7: 1047.24,1031.5 U1.1@1047.24,1083.66 v1@1047.24,1307.09 ; U6.36@1193.31,4021.65 1302.18,4021.65 1378.59,3945.24 1378.59,3684.16 1273.17,3578.74 1273.17,2718.96 1292.03,2700.1 1292.03,2666.04 1259.84,2633.86 1259.84,1732.28 v1(1267.72,1724.41)